# Altium PCB sombreakout.PcbDoc (part 3 of 3)
Units mm, origin at the board's own origin, x right, y up, seen from the top; angles counter-clockwise.
Board outline 65 x 106 mm, 4 copper layers (Component Side, Ground Plane, Power Plane, Solder Side), stack 1.607 mm thick; 291 components, 275 nets, 1089 pads, 416 vias.
Unrouted connection lines stored in the file: 2.
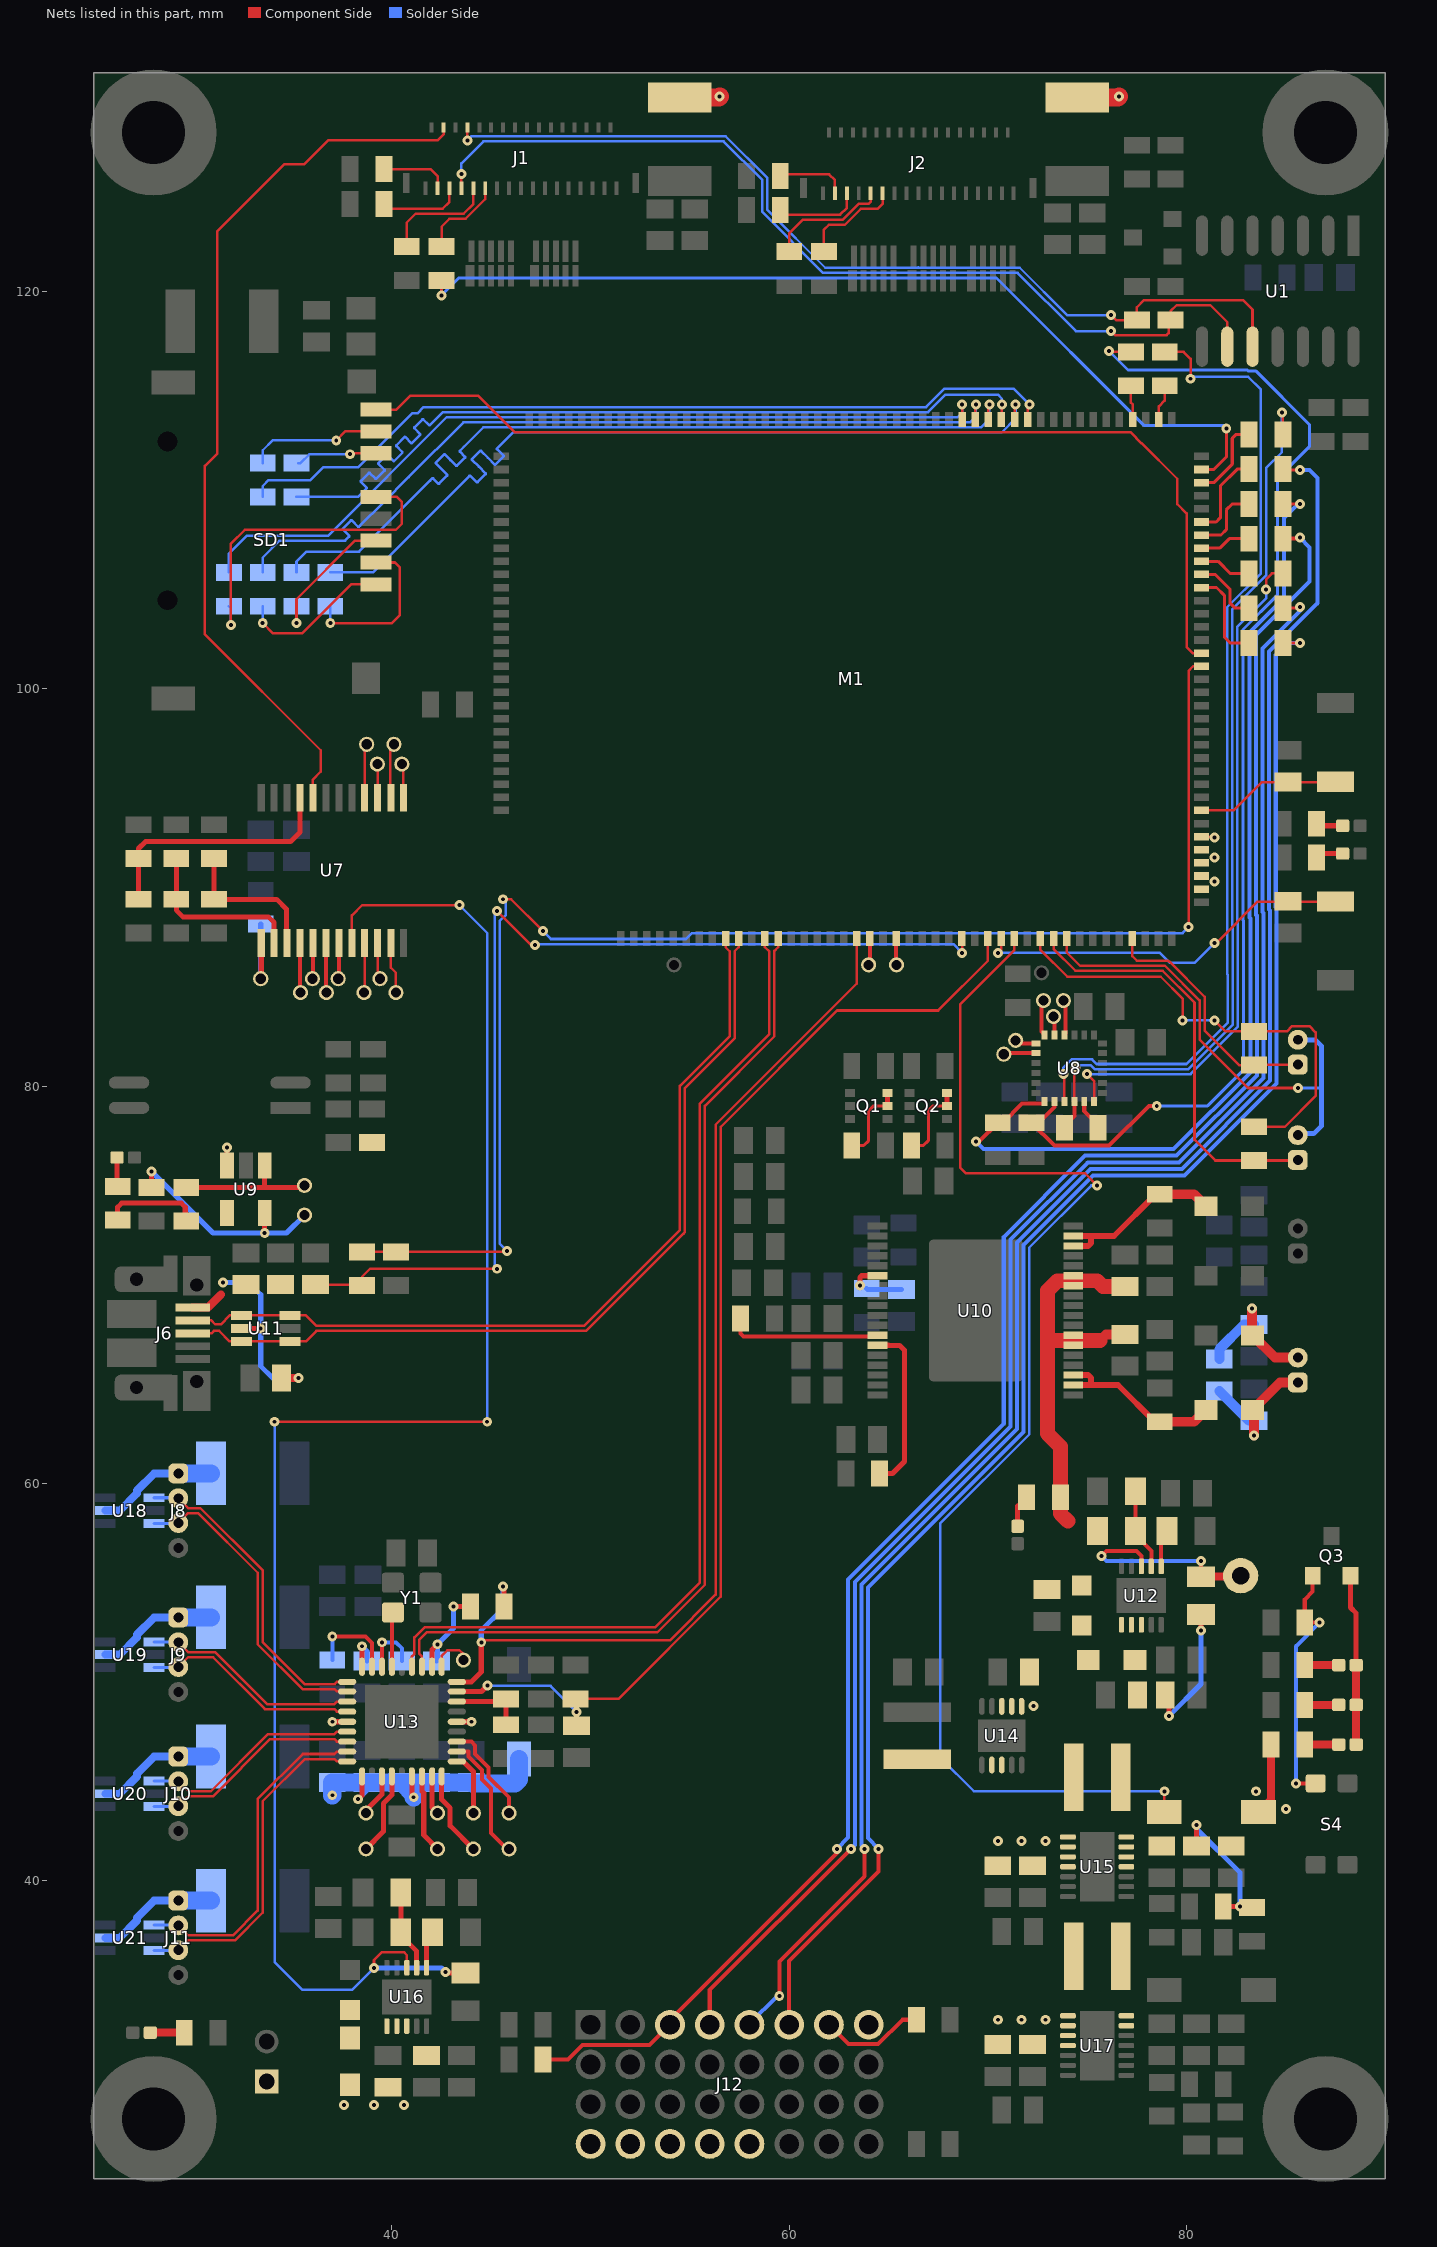
[diagram p5: the nets of this part, all layers, seen from the top]

## Via types
v1: diameter 0.5, hole 0.2, Component Side to Solder Side, tented both sides, 415 vias
v2: diameter 0.5, hole 0.2, Component Side to Solder Side, 1 vias

## Nets (pads, with @x,y where several pads share a name; then routed paths per layer and width w, separated by ;. In a path a pad name is that pad's centre, name@x,y a point inside that pad or via, vN(x,y) a via of type N, cw(c..) or ccw(c..) an arc to the next point about the centre after c; other vN are vias at no path point) (continued)
NetC68_2: C68.2 R99.2 U10.24 | length 3.1
  Component Side w0.254: v1(63.556,69.95) 63.556,70.356 63.65,70.45 U10.24@64.45,70.45
  Solder Side w0.254: R99.2@63.9,69.8 63.95,69.75 C68.2@65.65,69.75
NetC70_1: C70.1 C71.1 J7.2 L3.2 | length 7.7
  Component Side w0.5: v1(83.3,68.8) 83.3,67.475 L3.2@83.325,67.45 84.448,66.327 J7.2@85.6,66.327
  Solder Side w0.5: C71.1@81.65,66.25 81.65,66.75 82.9,68 C70.1@83.4,68 83.3,68.1 v1(83.3,68.8)
NetC71_2: C71.2 C73.2 J7.1 L4.2 | length 7.3
  Component Side w0.5: v1(83.4,62.4) 83.4,63.625 L4.2@83.325,63.7 84.702,65.077 J7.1@85.6,65.077
  Solder Side w0.5: C71.2@81.65,64.65 83.15,63.15 C73.2@83.4,63.15 v1(83.4,62.4)
NetC76_2: C76.2 C78.2 C79.2 C80.2 C81.2 C82.2 C83.2 FB3.2 R65.1 U13.5 U13.10 U13.15 U13.23 U13.29 U13.36 | length 24.1
  Component Side w0.254: v1(37,48) U13.5@37.75,48 ; v1(38.3,44.1) 38.5,44.3 U13.10@38.5,45.25 ; U13.36@38.5,50.769 v1(38.5,51.8) ; U13.15@41.008,45.25 41.008,44.292 v1(41.1,44.2) ; U13.29@42.024,50.769 42.024,51.624 v1(42.3,51.9) ; v1(43.1,53.8) R65.1@43.95,53.8 ; U13.23@43.269,48 v1(44,48)
  Solder Side w0.254: v1(38.3,44.1) 38.75,44.55 C82.2@38.75,44.95 ; v1(38.5,51.8) 38.75,51.55 C78.2@38.75,51.05 ; C76.2@42.25,51.05 42.3,51.1 v1(42.3,51.9) 43.1,52.7 v1(43.1,53.8)
  Solder Side w0.914: v1(37,44.3) C83.2@37,44.95 C82.2@38.75,44.95 C81.2@40.5,44.95 ; v1(41.1,44.2) 41.1,44.35 C81.2@40.5,44.95 ; FB3.2@46.4,46.125 46.4,45.1 46.2,44.9 44.05,44.9 C79.2@44,44.95 C80.2@42.25,44.95 C81.2@40.5,44.95
NetC77_2: C77.2 U13.34 | length 3
  Component Side w0.2: U13.34@39.5,50.769 v1(39.5,52)
  Solder Side w0.2: v1(39.5,52) 40.2,52 40.5,51.7 C77.2@40.5,51.05
NetD2_A: D2.A L5.2 U12.6 U12.7
NetD3_A: D3.A L9.2 U16.6 U16.7
NetJ1_3: J1.3 R3.2 | length 3.5
  Component Side w0.127: R3.2@39.6,126.15 41.95,126.15 42.3,125.8 J1.3@42.3,125.185
NetJ1_5: J1.5 R7.2 | length 4.4
  Component Side w0.127: R7.2@39.6,124.4 39.6,124.16 42.56,124.16 42.9,124.5 J1.5@42.9,125.185
NetJ1_9: J1.9 R9.2 | length 5.7
  Component Side w0.127: R9.2@40.75,122.25 40.75,123.455 41.2,123.906 43.606,123.906 44.1,124.4 J1.9@44.1,125.185
NetJ1_11: J1.11 R10.2 | length 4.3
  Component Side w0.127: R10.2@42.5,122.25 42.5,123.251 42.9,123.652 43.711,123.652 44.7,124.641 J1.11@44.7,125.185
NetJ2_3: J2.3 R6.2 | length 3.6
  Component Side w0.127: R6.2@59.55,125.8 59.55,125.891 62.009,125.891 62.3,125.6 J2.3@62.3,124.935
NetJ2_5: J2.5 R8.2 | length 4.5
  Component Side w0.127: R8.2@59.55,124.1 59.55,123.86 62.56,123.86 62.9,124.2 J2.5@62.9,124.935
NetJ2_9: J2.9 R11.2 | length 6.1
  Component Side w0.127: R11.2@60,122 60,122.905 60.7,123.606 62.7,123.606 63.494,124.4 64,124.4 64.1,124.5 J2.9@64.1,124.935
NetJ2_11: J2.11 R12.2 | length 5.1
  Component Side w0.127: R12.2@61.75,122 61.75,123.101 62,123.352 62.805,123.352 63.6,124.146 64.446,124.146 64.7,124.4 J2.11@64.7,124.935
NetJ8_1: J8.1 R100.2 U18.5 | length 6.2
  Solder Side w0.4: U18.5@25.575,58.625 26.3,58.625 27.173,59.498 27.173,59.635 28.038,60.5 J8.1@29.25,60.5
  Solder Side w0.914: J8.1@29.25,60.5 R100.2@30.9,60.5
NetJ9_1: J9.1 R101.2 U19.5 | length 6.2
  Solder Side w0.4: U19.5@25.575,51.375 26.3,51.375 27.173,52.248 27.173,52.385 28.038,53.25 J9.1@29.25,53.25
  Solder Side w0.914: J9.1@29.25,53.25 R101.2@30.9,53.25
NetJ10_1: J10.1 R103.2 U20.5 | length 6.2
  Solder Side w0.4: U20.5@25.575,44.375 26.3,44.375 27.173,45.248 27.173,45.385 28.038,46.25 J10.1@29.25,46.25
  Solder Side w0.914: J10.1@29.25,46.25 R103.2@30.9,46.25
NetJ11_1: J11.1 R104.2 U21.5 | length 6.2
  Solder Side w0.4: U21.5@25.575,37.125 26.3,37.125 27.173,37.998 27.173,38.135 28.038,39 J11.1@29.25,39
  Solder Side w0.914: J11.1@29.25,39 R104.2@30.9,39
NetJ12_9: J12.9 R23.2 R85.1 | length 99.1
  Component Side w0.203: R85.1@47.6,31 48.866,31 49.595,31.729 52.979,31.729 J12.9@54,32.75 54,33 62.4,41.4 v1(62.4,41.6) ; R23.2@84.85,107.55 85.65,107.55 v1(85.7,107.6)
  Solder Side w0.203: v1(62.4,41.6) 62.97,42.17 62.97,55.171 70.8,63 70.8,72.4 74.891,76.491 79.491,76.491 83.539,80.539 83.539,88.572 83.5,88.611 83.5,102.7 86.2,105.4 86.2,107.1 v1(85.7,107.6)
NetJ12_13: J12.13 R25.2 | length 87.2
  Component Side w0.152: R25.2@84.85,104.05 85.65,104.05 v1(85.7,104.1)
  Component Side w0.203: J12.13@56,32.75 56,34.5 62.9,41.4 v1(63.1,41.6)
  Solder Side w0.203: v1(63.1,41.6) 63.3,41.8 63.3,55.034 71.13,62.864 71.13,72.263 75.027,76.16 79.627,76.16 83.869,80.402 83.869,88.709 83.83,88.748 83.83,102.03 85.7,103.9 v1(85.7,104.1)
NetJ12_17: J12.17 R21.2 | length 94.6
  Component Side w0.152: R21.2@84.85,111.05 84.9,111 v1(85.7,111)
  Component Side w0.203: v1(59.5,34.2) 59.5,35.923 63.8,40.223 v1(63.8,41.6)
  Solder Side w0.203: J12.17@58,32.75 58,32.8 59.4,34.2 v1(59.5,34.2) ; v1(63.8,41.6) 63.63,41.77 63.63,54.897 71.46,62.727 71.46,72.126 75.164,75.83 79.764,75.83 84.199,80.265 84.199,88.845 84.16,88.884 84.16,101.86 86.6,104.3 86.6,110.6 86.2,111 v1(85.7,111)
NetJ12_21: J12.21 R26.2 | length 84.6
  Component Side w0.152: R26.2@84.85,102.3 v1(85.7,102.3)
  Component Side w0.203: J12.21@60,32.75 60,35.956 64.5,40.456 v1(64.5,41.6)
  Solder Side w0.203: v1(64.5,41.6) 63.96,42.139 63.96,54.76 71.79,62.59 71.79,71.989 75.301,75.5 79.901,75.5 84.53,80.129 84.53,88.982 84.491,89.021 84.491,101.691 85.1,102.3 v1(85.7,102.3)
NetJ12_25: J12.25 R84.1 | length 5.3
  Component Side w0.203: J12.25@62,32.75 62.979,31.771 64.471,31.771 65.7,33 R84.1@66.4,33
NetJ12_29: J12.29
NetL1_1: L1.1 R54.2 U10.16 U10.17 | length 9.1
  Component Side w0.3: U10.16@74.3,71.95 75.05,71.95 75.2,72.1 75.2,72.45 ; U10.17@74.3,72.45 75.2,72.45 ; R54.2@78.65,74.55 78.45,74.55 76.35,72.45 75.2,72.45
  Component Side w0.5: R54.2@78.65,74.55 80.375,74.55 L1.1@80.975,73.95
NetL4_1: L4.1 R58.2 U10.2 U10.3 | length 9
  Component Side w0.3: U10.2@74.3,64.95 75.3,64.95 ; U10.3@74.3,65.45 75.05,65.45 75.2,65.3 75.2,65.05 75.3,64.95 ; R58.2@78.65,63.1 78.4,63.1 76.55,64.95 75.3,64.95
  Component Side w0.5: R58.2@78.65,63.1 80.375,63.1 L4.1@80.975,63.7
NetL6_1: L6.1 U14.7 U14.8
NetL7_1: L7.1 U15.8 U15.9
NetL7_2: L7.2 U15.6 U15.7
NetL8_1: L8.1 U17.8 U17.9
NetL8_2: L8.2 U17.6 U17.7
NetLED1_K: LED1.K R31.1 | length 1.4
  Component Side w0.254: R31.1@86.55,93.2 86.65,93.1 LED1.K@87.86,93.1
NetLED2_K: LED2.K R32.1 | length 1.4
  Component Side w0.254: R32.1@86.55,91.5 86.75,91.7 LED2.K@87.86,91.7
NetLED3_A: LED3.A R50.2 | length 1.5
  Component Side w0.254: LED3.A@26.16,76.4 26.16,74.99 R50.2@26.2,74.95
NetLED4_A: LED4.A R60.2 | length 1.6
  Component Side w0.254: LED4.A@71.5,57.84 71.5,58.85 R60.2@71.95,59.3
NetLED5_A: LED5.A R70.2 | length 1.7
  Component Side w0.4: R70.2@85.95,50.85 LED5.A@87.66,50.85
NetLED5_K: LED5.K LED6.K LED7.K Q3.2 | length 8.6
  Component Side w0.254: Q3.2@88.25,55.35 88.25,53.75 88.54,53.46 LED5.K@88.54,50.85
  Component Side w0.4: LED7.K@88.54,46.85 LED5.K@88.54,50.85
NetLED6_A: LED6.A R73.2 | length 1.7
  Component Side w0.4: R73.2@85.95,48.85 LED6.A@87.66,48.85
NetLED7_A: LED7.A R74.2 | length 1.7
  Component Side w0.4: R74.2@85.95,46.85 LED7.A@87.66,46.85
NetLED8_A: LED8.A R82.2 | length 1.7
  Component Side w0.4: LED8.A@27.84,32.35 R82.2@29.55,32.35
NetM1_118: M1.118 R16.1 | length 1.7
  Component Side w0.127: R16.1@77.2,115.25 77.2,114.4 77.283,114.317 M1.118@77.283,113.55
NetM1_120: M1.120 R17.1 | length 1.8
  Component Side w0.127: M1.120@78.603,113.55 78.603,114.203 78.9,114.5 R17.1@78.9,115.25
NetM1_124: M1.124 R18.1 | length 4.2
  Component Side w0.152: M1.124@80.75,110.37 81.37,110.37 82.3,111.3 82.3,112.6 82.5,112.8 R18.1@83.15,112.8
NetM1_127: M1.127 R21.1 | length 4.4
  Component Side w0.152: M1.127@80.75,108.39 81.49,108.39 81.7,108.6 81.7,110.2 82.55,111.05 R21.1@83.15,111.05
NetM1_128: M1.128 R22.1 | length 3.6
  Component Side w0.152: M1.128@80.75,107.73 81.73,107.73 82,108 82,109 82.3,109.3 R22.1@83.15,109.3
NetM1_129: M1.129 R23.1 | length 2.6
  Component Side w0.152: M1.129@80.75,107.07 81.67,107.07 82.15,107.55 R23.1@83.15,107.55
NetM1_130: M1.130 R24.1 | length 2.7
  Component Side w0.152: M1.130@80.75,106.41 81.59,106.41 82.2,105.8 R24.1@83.15,105.8
NetM1_131: M1.131 R25.1 | length 3.5
  Component Side w0.152: M1.131@80.75,105.75 81.45,105.75 82.179,105.021 82.179,104.321 82.45,104.05 R25.1@83.15,104.05
NetM1_132: M1.132 R26.1 | length 4.8
  Component Side w0.152: M1.132@80.75,105.09 81.51,105.09 81.9,104.7 81.9,102.6 82.2,102.3 R26.1@83.15,102.3
NetQ1_5: Q1.5 Q1.6 R44.1 | length 4.2
  Component Side w0.152: R44.1@63.15,77 63.75,77 64,77.25 64,78.75 64.25,79 Q1.5@64.95,79
  Component Side w0.254: Q1.5@64.95,79 Q1.6@64.95,79.65
NetQ2_5: Q2.5 Q2.6 R45.1 | length 4.2
  Component Side w0.152: R45.1@66.15,77 66.75,77 67,77.25 67,78.75 67.25,79 Q2.5@67.95,79
  Component Side w0.254: Q2.5@67.95,79 Q2.6@67.95,79.65
NetQ3_1: Q3.1 R66.2 S4.3 | length 12.9
  Component Side w0.203: v1(85.5,44.9) S4.3@86.5,44.9 ; Q3.1@86.35,55.35 86.35,54.55 85.95,54.15 R66.2@85.95,53 v1(86.7,53)
  Solder Side w0.203: v1(85.5,44.9) 85.5,51.8 v1(86.7,53)
NetR16_2: R16.2 R47.2 U8.20 | length 61.1
  Component Side w0.127: v1(76.1,117) 76.15,116.95 R16.2@77.2,116.95
  Component Side w0.203: U8.20@73.35,79.225 73.35,78.95 72.55,78.15 R47.2@72.2,78.15 73.35,77 76.1,77 78.1,79 v1(78.5,79)
  Solder Side w0.127: v1(76.1,117) 77.06,116.04 83.059,116.04 83.1,116
  Solder Side w0.152: v1(78.5,79) 81.066,79 82.879,80.813 82.879,88.298 82.84,88.337 82.84,102.974 84.57,104.704 84.57,110.57 86.179,112.179 86.179,113.3 83.479,116 83.1,116
NetR17_2: R17.2 U8.21 | length 50
  Component Side w0.127: v1(73.8,80.6) 73.85,80.55 U8.21@73.85,79.225 ; R17.2@78.9,116.95 79.85,116.95 80.2,116.6 v1(80.2,115.6)
  Solder Side w0.127: v1(73.8,80.6) 73.8,80.923 74.218,81.341 75.242,81.341 75.474,81.108 79.99,81.108 82.078,83.197 82.078,85.6 82.04,85.639 82.04,104.099 83.746,105.805 83.746,115.054 83.1,115.7 80.3,115.7 v1(80.2,115.6)
NetR18_2: R18.2 R48.1 U8.22 | length 45.2
  Component Side w0.127: U8.22@74.35,79.225 74.35,80.85 v1(74.4,80.9) ; v1(84.8,113.9) 84.85,113.85 R18.2@84.85,112.8
  Component Side w0.203: R48.1@73.75,77.9 74.35,78.5 U8.22@74.35,79.225
  Solder Side w0.127: v1(74.4,80.9) 74.54,81.04 75.182,81.04 75.369,80.854 80.095,80.854 82.332,83.092 82.332,88.072 82.294,88.111 82.294,103.994 84,105.7 84,111.1 84.8,111.9 v1(84.8,113.9)
NetR22_2: R22.2 R46.2 U8.19 | length 50.4
  Component Side w0.152: R22.2@84.85,109.3 v1(85.7,109.3)
  Component Side w0.203: v1(69.4,77.2) 69.55,77.2 R46.2@70.5,78.15 70.75,78.15 71.721,79.121 72.746,79.121 U8.19@72.85,79.225
  Solder Side w0.203: v1(69.4,77.2) 69.779,76.821 79.354,76.821 83.209,80.676 83.209,88.435 83.17,88.474 83.17,102.837 84.9,104.567 84.9,108.6 85.6,109.3 v1(85.7,109.3)
NetR24_2: R24.2 U8.24 | length 34.2
  Component Side w0.127: v1(75,80.6) 75.35,80.25 U8.24@75.35,79.225 ; v1(84,105) 84,105.5 84.3,105.8 R24.2@84.85,105.8
  Solder Side w0.127: v1(75,80.6) 80.2,80.6 82.586,82.987 82.586,88.177 82.548,88.216 82.548,103.095 84,104.547 v1(84,105)
NetR28_1: R28.1 R33.2 U7.21 | length 12.7
  Component Side w0.254: R33.2@27.25,89.4 R28.1@27.25,91.45 27.25,91.95 27.6,92.3 34.9,92.3 35.375,92.775 U7.21@35.375,94.508
NetR29_1: R29.1 R34.2 U7.2 | length 8.8
  Component Side w0.254: R29.1@29.15,91.45 R34.2@29.15,89.4 29.15,88.85 29.5,88.5 33.8,88.5 34.075,88.225 U7.2@34.075,87.194
NetR30_1: R30.1 R35.2 U7.3 | length 7.6
  Component Side w0.254: R30.1@31.05,91.45 R35.2@31.05,89.4 31.05,89.396 34.204,89.396 34.7,88.9 34.7,87.219 U7.3@34.725,87.194
NetR48_2: R48.2 U8.23 | length 1.6
  Component Side w0.203: U8.23@74.85,79.225 74.85,78.75 75.45,78.15 R48.2@75.45,77.9
NetR51_2: R51.2 TP23.1 U9.5 | length 11.2
  Component Side w0.254: R51.2@27.9,74.9 v1(27.9,75.7) ; v1(33.6,72.6) U9.5@33.6,73.6
  Solder Side w0.254: v1(27.9,75.7) 31,72.6 v1(33.6,72.6) 34.7,72.6 TP23.1@35.6,73.5
NetR52_2: R52.2 TP22.1 U9.1 | length 7.1
  Component Side w0.254: R52.2@29.65,74.9 33.6,74.9 ; U9.1@33.6,76 33.6,74.9 ; TP22.1@35.6,75 35.5,74.9 33.6,74.9
NetR57_1: R57.1 U10.30 | length 7.7
  Component Side w0.2: R57.1@57.55,68.3 57.55,67.55 57.702,67.398 U10.30@64.45,67.398
NetR59_1: R59.1 U10.31 | length 8.6
  Component Side w0.254: U10.31@64.45,66.95 64.994,66.95 64.994,66.946 65.554,66.946 65.8,66.7 65.8,61.1 65.2,60.5 R59.1@64.55,60.5
NetR61_1: R61.1 R62.2 U12.2 | length 4.1
  Component Side w0.203: R61.1@77.425,59.6 R62.2@77.425,57.6 77.425,57.4 78.225,56.6 U12.2@78.225,55.82
NetR63_2: R63.2 U12.1 | length 1.9
  Component Side w0.203: U12.1@78.725,55.82 78.725,57.3 R63.2@79.025,57.6
NetR64_1: R64.1 TP24.1 U12.3 | length 10.7
  Component Side w0.203: v1(75.725,56.35) 75.975,56.6 77.475,56.6 77.725,56.35 U12.3@77.725,55.82 ; R64.1@80.725,55.3 v1(80.725,56.1)
  Component Side w0.4: R64.1@80.725,55.3 82.675,55.3 TP24.1@82.725,55.35
  Solder Side w0.203: v1(75.725,56.35) 75.975,56.1 v1(80.725,56.1)
NetR67_1: R67.1 R71.2 U13.25 | length 3.8
  Component Side w0.254: U13.25@43.269,49.016 45.616,49.016 R67.1@45.75,49.15 R71.2@45.75,47.85
NetR75_1: R75.1 R76.2 U16.2 | length 4.1
  Component Side w0.254: R75.1@40.45,39.4 R76.2@40.45,37.4 40.45,37.25 41.25,36.45 U16.2@41.25,35.62
NetR77_2: R77.2 U16.1 | length 1.9
  Component Side w0.254: U16.1@41.75,35.62 41.75,37.1 R77.2@42.05,37.4
NetR81_1: R81.1 U7.8 U16.3 | length 85.1
  Component Side w0.127: v1(34.1,63.1) v1(44.8,63.1) ; U7.8@37.991,87.194 37.991,88.591 38.5,89.1 v1(43.4,89.1) ; v1(39.1,35.6) 39.1,36 39.5,36.4 40.6,36.4 40.75,36.25 U16.3@40.75,35.62
  Component Side w0.254: v1(42.7,35.4) 42.75,35.35 R81.1@43.7,35.35
  Solder Side w0.127: v1(34.1,63.1) 34.1,35.9 35.5,34.5 38,34.5 v1(39.1,35.6) ; v1(43.4,89.1) 44.8,87.7 v1(44.8,63.1)
  Solder Side w0.254: v1(39.1,35.6) 42.5,35.6 v1(42.7,35.4)
NetR91_1: R91.1 SD1.7 | length 4.1
  Component Side w0.127: v1(37.9,111.8) 37.95,111.85 SD1.7@39.2,111.85
  Solder Side w0.127: R91.1@35.3,111.35 35.4,111.35 35.85,111.8 v1(37.9,111.8)
NetR92_1: R92.1 SD1.8 | length 6.7
  Component Side w0.127: v1(37.2,112.5) 37.65,112.95 SD1.8@39.2,112.95
  Solder Side w0.127: R92.1@33.5,111.35 33.5,112 34,112.5 v1(37.2,112.5)
NetR93_1: R93.1 SD1.2 | length 8.2
  Component Side w0.127: v1(36.9,103.3) 40,103.3 40.4,103.7 40.4,106.1 40.15,106.35 SD1.2@39.2,106.35
  Solder Side w0.127: v1(36.9,103.3) R93.1@36.9,104.15
NetR94_1: R94.1 SD1.3 | length 7.3
  Component Side w0.127: v1(35.2,103.3) 35.2,104.5 38.15,107.45 SD1.3@39.2,107.45
  Solder Side w0.127: v1(35.2,103.3) R94.1@35.2,104.15
NetR95_1: R95.1 SD1.1 | length 7.8
  Component Side w0.127: v1(33.5,103.3) 34,102.8 35.5,102.8 37.95,105.25 SD1.1@39.2,105.25
  Solder Side w0.127: v1(33.5,103.3) R95.1@33.5,104.15
NetR96_1: R96.1 SD1.5 | length 16.6
  Component Side w0.127: v1(31.9,103.2) 31.9,107.3 32.6,108 40.2,108 40.5,108.3 40.5,109.4 40.25,109.65 SD1.5@39.2,109.65
  Solder Side w0.127: R96.1@31.8,104.15 31.9,104.05 v1(31.9,103.2)
NetR97_2: R97.2 TP5.1 U7.1 | length 4.6
  Component Side w0.254: TP5.1@33.4,85.4 33.425,85.425 U7.1@33.425,87.194
  Solder Side w0.254: TP5.1@33.4,85.4 R97.2@33.4,88.15
NetR102_2: R102.2 U13.35 | length 4.5
  Component Side w0.2: v1(37,52.3) 38.675,52.3 39,51.975 U13.35@39,50.769
  Solder Side w0.2: R102.2@37,51.1 v1(37,52.3)
NetTP1_1: TP1.1 U7.16 | length 2.7
  Component Side w0.127: U7.16@38.626,94.508 38.626,97.092 TP1.1@38.733,97.2
NetTP2_1: TP2.1 U7.15 | length 1.7
  Component Side w0.127: TP2.1@39.267,96.2 39.286,96.181 U7.15@39.286,94.508
NetTP3_1: TP3.1 U7.14 | length 2.8
  Component Side w0.127: U7.14@39.946,94.508 39.929,94.508 39.929,97.029 TP3.1@40.1,97.2
NetTP4_1: TP4.1 U7.13 | length 1.7
  Component Side w0.127: TP4.1@40.5,96.2 40.581,96.119 U7.13@40.581,94.508
NetTP6_1: TP6.1 U7.5 | length 1.8
  Component Side w0.203: TP6.1@36,85.4 36.025,85.425 U7.5@36.025,87.194
NetTP7_1: TP7.1 U7.7 | length 1.8
  Component Side w0.203: TP7.1@37.3,85.4 37.33,85.43 U7.7@37.33,87.194
NetTP8_1: TP8.1 U7.10 | length 1.8
  Component Side w0.127: U7.10@39.286,87.194 39.286,85.514 TP8.1@39.4,85.4
NetTP12_1: TP12.1 U7.4 | length 2.5
  Component Side w0.203: U7.4@35.375,87.194 35.375,84.725 TP12.1@35.4,84.7
NetTP13_1: TP13.1 U7.6 | length 2.5
  Component Side w0.203: U7.6@36.675,87.194 36.675,84.725 TP13.1@36.7,84.7
NetTP14_1: TP14.1 U7.9 | length 2.5
  Component Side w0.127: TP14.1@38.6,84.7 38.626,84.726 U7.9@38.626,87.194
NetTP15_1: TP15.1 U7.11 | length 2.6
  Component Side w0.127: U7.11@39.946,87.194 39.946,85.954 40.2,85.7 TP15.1@40.2,84.7
NetTP17_1: TP17.1 U8.12 | length 1.9
  Component Side w0.203: TP17.1@72.8,84.3 72.69,84.3 72.69,82.735 U8.12@72.85,82.575
NetTP18_1: TP18.1 U8.11 | length 0.9
  Component Side w0.203: TP18.1@73.3,83.5 73.35,83.45 U8.11@73.35,82.575
NetTP19_1: TP19.1 U8.10 | length 1.8
  Component Side w0.203: TP19.1@73.8,84.3 73.91,84.19 73.91,82.635 U8.10@73.85,82.575
NetTP20_1: TP20.1 U8.14 | length 1.6
  Component Side w0.203: TP20.1@70.8,81.6 70.85,81.65 U8.14@72.425,81.65
NetTP21_1: TP21.1 U8.13 | length 1.1
  Component Side w0.203: TP21.1@71.4,82.3 71.55,82.15 U8.13@72.425,82.15
NetTP25_1: TP25.1 U13.28 | length 2.1
  Component Side w0.127: U13.28@42.507,50.769 42.507,51.307 42.8,51.6 43.4,51.6 43.6,51.4 TP25.1@43.6,51.1
NetTP26_1: TP26.1 U13.12 | length 2.2
  Component Side w0.254: TP26.1@38.7,43.4 38.7,43.548 39.5,44.348 U13.12@39.5,45.25
NetTP27_1: TP27.1 U13.17 | length 2
  Component Side w0.254: U13.17@42.024,45.25 42.024,43.676 TP27.1@42.3,43.4
NetTP28_1: TP28.1 U13.19 | length 3.1
  Component Side w0.254: U13.19@43.269,46 43.6,46 44.1,45.5 TP28.1@44.1,43.4
NetTP29_1: TP29.1 U13.21 | length 5.1
  Component Side w0.2: U13.21@43.269,47 44,47 44.195,46.805 44.195,46.382 44.873,45.704 44.873,45.227 45.9,44.2 TP29.1@45.9,43.4
NetTP30_1: TP30.1 U13.13 | length 4.2
  Component Side w0.254: TP30.1@38.7,41.6 39.571,42.471 39.571,43.88 40,44.309 U13.13@40,45.25
NetTP31_1: TP31.1 U13.16 | length 4
  Component Side w0.254: U13.16@41.516,45.25 41.516,44.497 41.604,44.409 41.604,42.296 TP31.1@42.3,41.6
NetTP32_1: TP32.1 U13.18 | length 4.3
  Component Side w0.254: U13.18@42.507,45.25 42.507,44.091 42.935,43.663 42.935,42.765 TP32.1@44.1,41.6
NetTP33_1: TP33.1 U13.20 | length 6.4
  Component Side w0.2: U13.20@43.269,46.5 43.868,46.5 43.868,46.247 44.546,45.568 44.546,45.092 45,44.638 45,42.4 45.8,41.6 TP33.1@45.9,41.6
NetU13_33: U13.33 Y1.3 | length 2.8
  Component Side w0.2: U13.33@40,50.769 40,53.45 Y1.3@40.05,53.5
SCAM_PWDN: J1.4 U7.20 | length 45.1
  Component Side w0.127: U7.20@36.025,94.508 36.025,95.425 36.421,95.821 36.421,96.9 30.592,102.729 30.592,111.21 31.2,111.818 31.2,123.018 34.59,126.408 35.6,126.408 36.792,127.6 42.3,127.6 42.6,127.9 J1.4@42.6,128.25
SCAM_RST#: M1.123 R10.1 | length 46.7
  Component Side w0.152: v1(42.5,119.8) R10.1@42.5,120.55 ; M1.123@80.75,111.03 81.371,111.03 82,111.659 v1(82,113.1)
  Solder Side w0.152: v1(42.5,119.8) 43.367,120.667 70.433,120.667 77.847,113.253 81.847,113.253 v1(82,113.1)
SCAM_SCL: J1.8 R14.2 U1.10 | length 47.9
  Component Side w0.127: v1(43.8,127.6) J1.8@43.8,128.25 ; v1(76.2,118.8) 76.45,118.55 R14.2@77.5,118.55 77.5,119.2 77.854,119.554 82.846,119.554 83.32,119.08 U1.10@83.32,117.212
  Solder Side w0.127: v1(43.8,127.6) 44,127.8 56.805,127.8 58.9,125.705 58.9,124.1 61.813,121.187 66.487,121.187 66.5,121.2 66.513,121.187 71.605,121.187 73.992,118.8 v1(76.2,118.8)
SCAM_SDA: J1.7 R15.2 U1.9 | length 48
  Component Side w0.127: J1.7@43.5,125.185 v1(43.5,125.9) ; v1(76.2,118) 76.4,117.8 79,117.8 79.1,117.9 79.1,118.45 R15.2@79.2,118.55 79.2,119 79.5,119.3 81.2,119.3 82.05,118.45 U1.9@82.05,117.212
  Solder Side w0.127: v1(43.5,125.9) 43.5,126.441 44.605,127.546 56.7,127.546 58.646,125.6 58.646,123.995 61.708,120.933 71.5,120.933 74.433,118 v1(76.2,118)
SD_DETECT#: M1.137 SD1.9 | length 51.9
  Component Side w0.127: SD1.9@39.2,114.05 40.227,114.05 40.918,114.74 44.359,114.74 46.2,112.9 77.2,112.9 77.459,112.641 77.459,112.618 77.718,112.36 77.74,112.36 79.533,110.567 79.533,109.29 80,108.823 80,102.1 80.31,101.79 M1.137@80.75,101.79